# Altium PCB OctopusPB_r0101.PcbDoc (part 2 of 11)
Units mm, origin at the board's own origin, x right, y up, seen from the top; angles counter-clockwise.
Board outline 318 x 80 mm, 4 copper layers (Top Layer, Layer 1, Layer 2, Bottom Layer), stack 1.567 mm thick; 1067 components, 459 nets, 3580 pads, 4392 vias.
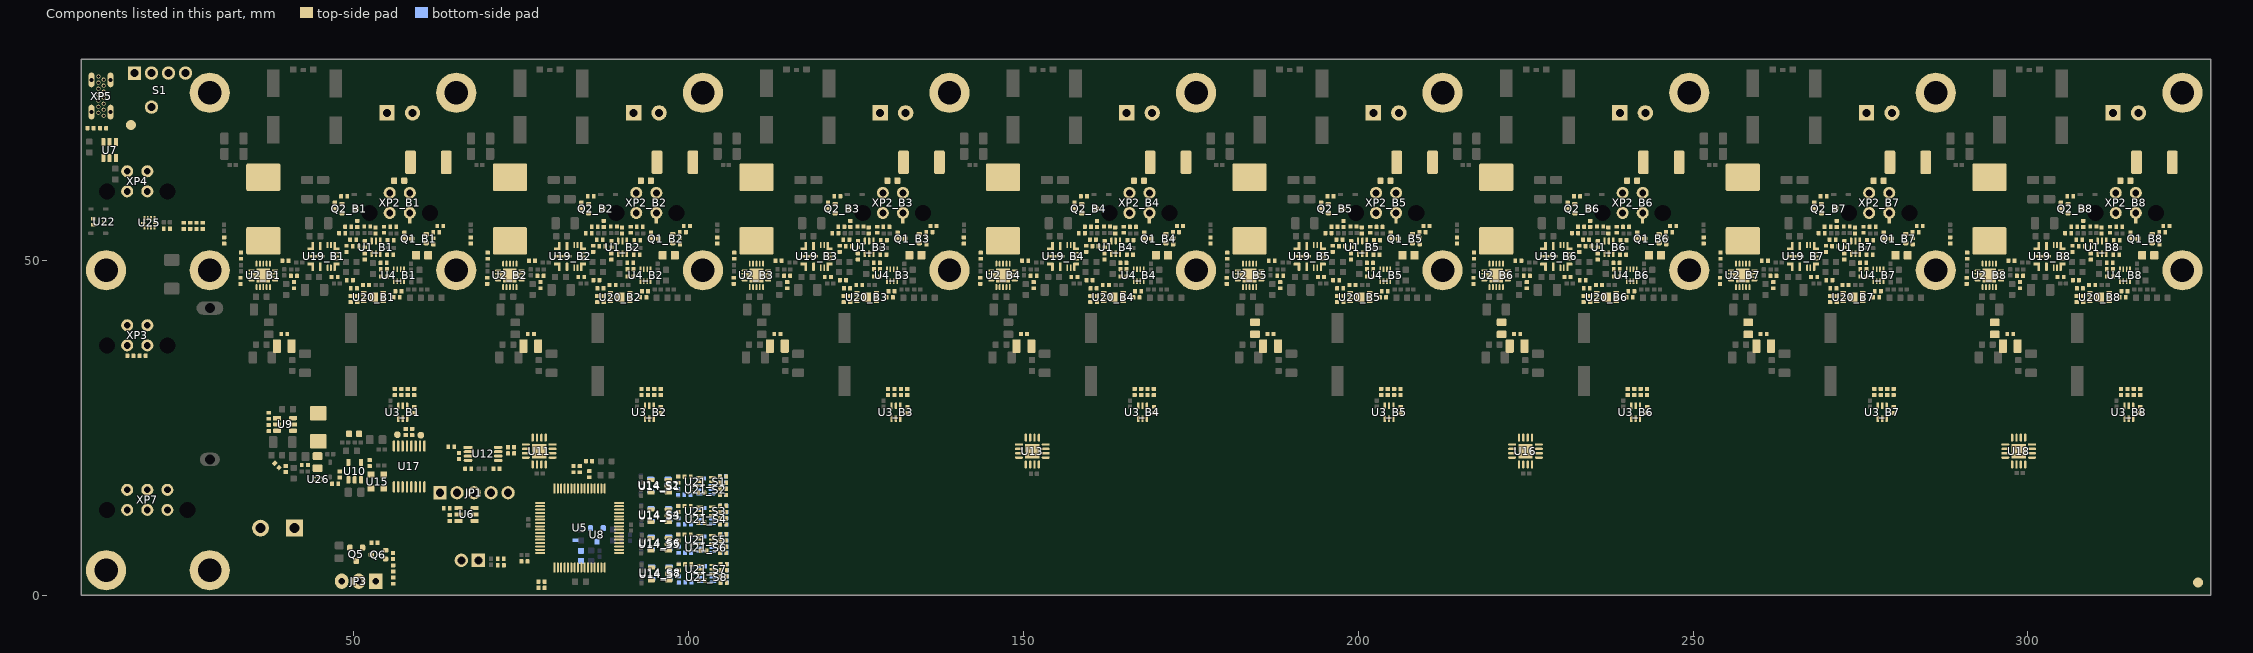
[diagram p4: the components of this part, seen from the top]

## Components (designator, comment, footprint, x,y, rotation, side; value= is the part's Value field where it differs from the comment) (continued)
FB1_B5 "BLM21SP601SH1D" FB0805M 184.58,39.825 r90 top (schematic designator FB1)
FB1_B6 "BLM21SP601SH1D" FB0805M 221.405,39.825 r90 top (schematic designator FB1)
FB1_B7 "BLM21SP601SH1D" FB0805M 258.23,39.825 r90 top (schematic designator FB1)
FB1_B8 "BLM21SP601SH1D" FB0805M 295.055,39.825 r90 top (schematic designator FB1)
FB2_B1 "BLM18KG260TN1D" FB0603M 56.775,61.875 r0 top (schematic designator FB2)
FB2_B2 "BLM18KG260TN1D" FB0603M 93.6,61.875 r0 top (schematic designator FB2)
FB2_B3 "BLM18KG260TN1D" FB0603M 130.425,61.875 r0 top (schematic designator FB2)
FB2_B4 "BLM18KG260TN1D" FB0603M 167.25,61.875 r0 top (schematic designator FB2)
FB2_B5 "BLM18KG260TN1D" FB0603M 204.075,61.875 r0 top (schematic designator FB2)
FB2_B6 "BLM18KG260TN1D" FB0603M 240.9,61.875 r0 top (schematic designator FB2)
FB2_B7 "BLM18KG260TN1D" FB0603M 277.725,61.875 r0 top (schematic designator FB2)
FB2_B8 "BLM18KG260TN1D" FB0603M 314.55,61.875 r0 top (schematic designator FB2)
FB3 "BLM18HG102SN1D" FB0603M 83.925,5.85 r270 bottom
FB4 "BLM21SP601SH1D" FB0805M 44.575,19.85 r270 top
FB5 "BLM18HG102SN1D" FB0603M 50.025,24.075 r0 top
FP1 "FP" FP 325.425,1.875 r0 top
FP2 "FP" FP 16.7,70.2 r0 top
JP1 "HEADER-2.54-THR-1x5-MV" HEADER-2.54-THR-1x5-MV 62.87,15.275 r90 top
JP2 "HEADER-2.54-THR-1x2-MV" HEADER-2.54-THR-1x2-MV 68.585,5.175 r270 top
JP3 "HEADER-2.54-THR-1x3-MV" HEADER-2.54-THR-1x3-MV 53.265,2.075 r270 top
L1_B1 "2.2uH" MGV252010S 39.6,37.175 r180 top (schematic designator L1)
L1_B2 "2.2uH" MGV252010S 76.425,37.175 r180 top (schematic designator L1)
L1_B3 "2.2uH" MGV252010S 113.25,37.175 r180 top (schematic designator L1)
L1_B4 "2.2uH" MGV252010S 150.075,37.175 r180 top (schematic designator L1)
L1_B5 "2.2uH" MGV252010S 186.9,37.175 r180 top (schematic designator L1)
L1_B6 "2.2uH" MGV252010S 223.725,37.175 r180 top (schematic designator L1)
L1_B7 "2.2uH" MGV252010S 260.55,37.175 r180 top (schematic designator L1)
L1_B8 "2.2uH" MGV252010S 297.375,37.175 r180 top (schematic designator L1)
L2_B1 "2.2uH" 104CDMCCDS 36.477,57.639 r90 top (schematic designator L2)
L2_B2 "2.2uH" 104CDMCCDS 73.302,57.639 r90 top (schematic designator L2)
L2_B3 "2.2uH" 104CDMCCDS 110.127,57.639 r90 top (schematic designator L2)
L2_B4 "2.2uH" 104CDMCCDS 146.952,57.639 r90 top (schematic designator L2)
L2_B5 "2.2uH" 104CDMCCDS 183.777,57.639 r90 top (schematic designator L2)
L2_B6 "2.2uH" 104CDMCCDS 220.602,57.639 r90 top (schematic designator L2)
L2_B7 "2.2uH" 104CDMCCDS 257.427,57.639 r90 top (schematic designator L2)
L2_B8 "2.2uH" 104CDMCCDS 294.252,57.639 r90 top (schematic designator L2)
L3_B1 "33uH" IC0805-M 60.2,50.75 r180 top (schematic designator L3)
L3_B2 "33uH" IC0805-M 97.025,50.75 r180 top (schematic designator L3)
L3_B3 "33uH" IC0805-M 133.85,50.75 r180 top (schematic designator L3)
L3_B4 "33uH" IC0805-M 170.675,50.75 r180 top (schematic designator L3)
L3_B5 "33uH" IC0805-M 207.5,50.75 r180 top (schematic designator L3)
L3_B6 "33uH" IC0805-M 244.325,50.75 r180 top (schematic designator L3)
L3_B7 "33uH" IC0805-M 281.15,50.75 r180 top (schematic designator L3)
L3_B8 "33uH" IC0805-M 317.975,50.75 r180 top (schematic designator L3)
L4 "10uH" 0518CDMCCDS 44.7,25.05 r270 top
MH1_B1 "MH-3.5-PLATED" MH_3.5_PLATED 65.3,75 r0 top locked (schematic designator MH1)
MH1_B2 "MH-3.5-PLATED" MH_3.5_PLATED 102.125,75 r0 top (schematic designator MH1)
MH1_B3 "MH-3.5-PLATED" MH_3.5_PLATED 138.95,75 r0 top (schematic designator MH1)
MH1_B4 "MH-3.5-PLATED" MH_3.5_PLATED 175.775,75 r0 top (schematic designator MH1)
MH1_B5 "MH-3.5-PLATED" MH_3.5_PLATED 212.6,75 r0 top (schematic designator MH1)
MH1_B6 "MH-3.5-PLATED" MH_3.5_PLATED 249.425,75 r0 top (schematic designator MH1)
MH1_B7 "MH-3.5-PLATED" MH_3.5_PLATED 286.25,75 r0 top (schematic designator MH1)
MH1_B8 "MH-3.5-PLATED" MH_3.5_PLATED 323.075,75 r0 top (schematic designator MH1)
MH2 "MH-3.5-PLATED" MH_3.5_PLATED 28.475,75 r0 top locked
MH3 "MH-3.5-PLATED" MH_3.5_PLATED 13,3.7 r0 top locked
MH4_B1 "MH-3.5-PLATED" MH_3.5_PLATED 65.3,48.5 r0 top locked (schematic designator MH4)
MH4_B2 "MH-3.5-PLATED" MH_3.5_PLATED 102.125,48.5 r0 top (schematic designator MH4)
MH4_B3 "MH-3.5-PLATED" MH_3.5_PLATED 138.95,48.5 r0 top (schematic designator MH4)
MH4_B4 "MH-3.5-PLATED" MH_3.5_PLATED 175.775,48.5 r0 top (schematic designator MH4)
MH4_B5 "MH-3.5-PLATED" MH_3.5_PLATED 212.6,48.5 r0 top (schematic designator MH4)
MH4_B6 "MH-3.5-PLATED" MH_3.5_PLATED 249.425,48.5 r0 top (schematic designator MH4)
MH4_B7 "MH-3.5-PLATED" MH_3.5_PLATED 286.25,48.5 r0 top (schematic designator MH4)
MH4_B8 "MH-3.5-PLATED" MH_3.5_PLATED 323.075,48.5 r0 top (schematic designator MH4)
MH5 "MH-3.5-PLATED" MH_3.5_PLATED 28.475,48.5 r0 top locked
MH6 "MH-3.5-PLATED" MH_3.5_PLATED 13,48.5 r0 top locked
MH7 "MH-3.5-PLATED" MH_3.5_PLATED 28.475,3.7 r0 top locked
Q1_B1 "NX3008PBKW,115" SOT323 59.725,53.225 r180 top (schematic designator Q1)
Q1_B2 "NX3008PBKW,115" SOT323 96.55,53.225 r180 top (schematic designator Q1)
Q1_B3 "NX3008PBKW,115" SOT323 133.375,53.225 r180 top (schematic designator Q1)
Q1_B4 "NX3008PBKW,115" SOT323 170.2,53.225 r180 top (schematic designator Q1)
Q1_B5 "NX3008PBKW,115" SOT323 207.025,53.225 r180 top (schematic designator Q1)
Q1_B6 "NX3008PBKW,115" SOT323 243.85,53.225 r180 top (schematic designator Q1)
Q1_B7 "NX3008PBKW,115" SOT323 280.675,53.225 r180 top (schematic designator Q1)
Q1_B8 "NX3008PBKW,115" SOT323 317.5,53.225 r180 top (schematic designator Q1)
Q2_B1 "NPN_transistor_SOT23-3" SOT323 49.3,57.7 r0 top (schematic designator Q2)
Q2_B2 "NPN_transistor_SOT23-3" SOT323 86.125,57.7 r0 top (schematic designator Q2)
Q2_B3 "NPN_transistor_SOT23-3" SOT323 122.95,57.7 r0 top (schematic designator Q2)
Q2_B4 "NPN_transistor_SOT23-3" SOT323 159.775,57.7 r0 top (schematic designator Q2)
Q2_B5 "NPN_transistor_SOT23-3" SOT323 196.6,57.7 r0 top (schematic designator Q2)
Q2_B6 "NPN_transistor_SOT23-3" SOT323 233.425,57.7 r0 top (schematic designator Q2)
Q2_B7 "NPN_transistor_SOT23-3" SOT323 270.25,57.7 r0 top (schematic designator Q2)
Q2_B8 "NPN_transistor_SOT23-3" SOT323 307.075,57.7 r0 top (schematic designator Q2)
Q5 "DMP3099L-7" SOT23-3 50.35,6.075 r90 top
Q6 "NX3020NAKW,115" SOT323 53.675,6.025 r180 top
R1_B1 "42.2k" RC0402M 54.5,54.55 r90 top (schematic designator R1)
R1_B2 "42.2k" RC0402M 91.325,54.55 r90 top (schematic designator R1)
R1_B3 "42.2k" RC0402M 128.15,54.55 r90 top (schematic designator R1)
R1_B4 "42.2k" RC0402M 164.975,54.55 r90 top (schematic designator R1)
R1_B5 "42.2k" RC0402M 201.8,54.55 r90 top (schematic designator R1)
R1_B6 "42.2k" RC0402M 238.625,54.55 r90 top (schematic designator R1)
R1_B7 "42.2k" RC0402M 275.45,54.55 r90 top (schematic designator R1)
R1_B8 "42.2k" RC0402M 312.275,54.55 r90 top (schematic designator R1)
R2_B1 "1k" RC0402M 55.875,54.975 r180 top (schematic designator R2)
R2_B2 "1k" RC0402M 92.7,54.975 r180 top (schematic designator R2)
R2_B3 "1k" RC0402M 129.525,54.975 r180 top (schematic designator R2)
R2_B4 "1k" RC0402M 166.35,54.975 r180 top (schematic designator R2)
R2_B5 "1k" RC0402M 203.175,54.975 r180 top (schematic designator R2)
R2_B6 "1k" RC0402M 240,54.975 r180 top (schematic designator R2)
R2_B7 "1k" RC0402M 276.825,54.975 r180 top (schematic designator R2)
R2_B8 "1k" RC0402M 313.65,54.975 r180 top (schematic designator R2)
R3_B1 "10k" RC0402M 55.425,50.825 r0 top (schematic designator R3)
R3_B2 "10k" RC0402M 92.25,50.825 r0 top (schematic designator R3)
R3_B3 "10k" RC0402M 129.075,50.825 r0 top (schematic designator R3)
R3_B4 "10k" RC0402M 165.9,50.825 r0 top (schematic designator R3)
R3_B5 "10k" RC0402M 202.725,50.825 r0 top (schematic designator R3)
R3_B6 "10k" RC0402M 239.55,50.825 r0 top (schematic designator R3)
R3_B7 "10k" RC0402M 276.375,50.825 r0 top (schematic designator R3)
R3_B8 "10k" RC0402M 313.2,50.825 r0 top (schematic designator R3)
R4_B1 "10k" RC0402M 61.875,52.825 r90 top (schematic designator R4)
R4_B2 "10k" RC0402M 98.7,52.825 r90 top (schematic designator R4)
R4_B3 "10k" RC0402M 135.525,52.825 r90 top (schematic designator R4)
R4_B4 "10k" RC0402M 172.35,52.825 r90 top (schematic designator R4)
R4_B5 "10k" RC0402M 209.175,52.825 r90 top (schematic designator R4)
R4_B6 "10k" RC0402M 246,52.825 r90 top (schematic designator R4)
R4_B7 "10k" RC0402M 282.825,52.825 r90 top (schematic designator R4)
R4_B8 "10k" RC0402M 319.65,52.825 r90 top (schematic designator R4)
R5_B1 "2.1k" RC0402M 39.6,38.975 r180 top (schematic designator R5)
R5_B2 "2.1k" RC0402M 76.425,38.975 r180 top (schematic designator R5)
R5_B3 "2.1k" RC0402M 113.25,38.975 r180 top (schematic designator R5)
R5_B4 "2.1k" RC0402M 150.075,38.975 r180 top (schematic designator R5)
R5_B5 "2.1k" RC0402M 186.9,38.975 r180 top (schematic designator R5)
R5_B6 "2.1k" RC0402M 223.725,38.975 r180 top (schematic designator R5)
R5_B7 "2.1k" RC0402M 260.55,38.975 r180 top (schematic designator R5)
R5_B8 "2.1k" RC0402M 297.375,38.975 r180 top (schematic designator R5)
R6_B1 "10k" RC0402M 30.625,52.95 r90 top (schematic designator R6)
R6_B2 "10k" RC0402M 67.45,52.95 r90 top (schematic designator R6)
R6_B3 "10k" RC0402M 104.275,52.95 r90 top (schematic designator R6)
R6_B4 "10k" RC0402M 141.1,52.95 r90 top (schematic designator R6)
R6_B5 "10k" RC0402M 177.925,52.95 r90 top (schematic designator R6)
R6_B6 "10k" RC0402M 214.75,52.95 r90 top (schematic designator R6)
R6_B7 "10k" RC0402M 251.575,52.95 r90 top (schematic designator R6)
R6_B8 "10k" RC0402M 288.4,52.95 r90 top (schematic designator R6)
R7_B1 "0R" RC0402M 33.15,50.675 r90 top (schematic designator R7)
R7_B2 "0R" RC0402M 69.975,50.675 r90 top (schematic designator R7)
R7_B3 "0R" RC0402M 106.8,50.675 r90 top (schematic designator R7)
R7_B4 "0R" RC0402M 143.625,50.675 r90 top (schematic designator R7)
R7_B5 "0R" RC0402M 180.45,50.675 r90 top (schematic designator R7)
R7_B6 "0R" RC0402M 217.275,50.675 r90 top (schematic designator R7)
R7_B7 "0R" RC0402M 254.1,50.675 r90 top (schematic designator R7)
R7_B8 "0R" RC0402M 290.925,50.675 r90 top (schematic designator R7)
R8_B1 "0R" RC0402M 50,45.8 r180 top (schematic designator R8)
R8_B2 "0R" RC0402M 86.825,45.8 r180 top (schematic designator R8)
R8_B3 "0R" RC0402M 123.65,45.8 r180 top (schematic designator R8)
R8_B4 "0R" RC0402M 160.475,45.8 r180 top (schematic designator R8)
R8_B5 "0R" RC0402M 197.3,45.8 r180 top (schematic designator R8)
R8_B6 "0R" RC0402M 234.125,45.8 r180 top (schematic designator R8)
R8_B7 "0R" RC0402M 270.95,45.8 r180 top (schematic designator R8)
R8_B8 "0R" RC0402M 307.775,45.8 r180 top (schematic designator R8)
R9_B1 "470R" RC2512M 61.125,64.625 r180 top (schematic designator R9)
R9_B2 "470R" RC2512M 97.95,64.625 r180 top (schematic designator R9)
R9_B3 "470R" RC2512M 134.775,64.625 r180 top (schematic designator R9)
R9_B4 "470R" RC2512M 171.6,64.625 r180 top (schematic designator R9)
R9_B5 "470R" RC2512M 208.425,64.625 r180 top (schematic designator R9)
R9_B6 "470R" RC2512M 245.25,64.625 r180 top (schematic designator R9)
R9_B7 "470R" RC2512M 282.075,64.625 r180 top (schematic designator R9)
R9_B8 "470R" RC2512M 318.9,64.625 r180 top (schematic designator R9)
R10_B1 "43R" RC0402M 57.1,30.325 r90 top (schematic designator R10)
R10_B2 "43R" RC0402M 93.925,30.325 r90 top (schematic designator R10)
R10_B3 "43R" RC0402M 130.75,30.325 r90 top (schematic designator R10)
R10_B4 "43R" RC0402M 167.575,30.325 r90 top (schematic designator R10)
R10_B5 "43R" RC0402M 204.4,30.325 r90 top (schematic designator R10)
R10_B6 "43R" RC0402M 241.225,30.325 r90 top (schematic designator R10)
R10_B7 "43R" RC0402M 278.05,30.325 r90 top (schematic designator R10)
R10_B8 "43R" RC0402M 314.875,30.325 r90 top (schematic designator R10)
R11_B1 "100k" RC0402M 33.075,46.925 r270 top (schematic designator R11)
R11_B2 "100k" RC0402M 69.9,46.925 r270 top (schematic designator R11)
R11_B3 "100k" RC0402M 106.725,46.925 r270 top (schematic designator R11)
R11_B4 "100k" RC0402M 143.55,46.925 r270 top (schematic designator R11)
R11_B5 "100k" RC0402M 180.375,46.925 r270 top (schematic designator R11)
R11_B6 "100k" RC0402M 217.2,46.925 r270 top (schematic designator R11)
R11_B7 "100k" RC0402M 254.025,46.925 r270 top (schematic designator R11)
R11_B8 "100k" RC0402M 290.85,46.925 r270 top (schematic designator R11)
R12_B1 "42.2k" RC0402M 53.225,54.45 r90 top (schematic designator R12)
R12_B2 "42.2k" RC0402M 90.05,54.45 r90 top (schematic designator R12)
R12_B3 "42.2k" RC0402M 126.875,54.45 r90 top (schematic designator R12)
R12_B4 "42.2k" RC0402M 163.7,54.45 r90 top (schematic designator R12)
R12_B5 "42.2k" RC0402M 200.525,54.45 r90 top (schematic designator R12)
R12_B6 "42.2k" RC0402M 237.35,54.45 r90 top (schematic designator R12)
R12_B7 "42.2k" RC0402M 274.175,54.45 r90 top (schematic designator R12)
R12_B8 "42.2k" RC0402M 311,54.45 r90 top (schematic designator R12)
R13_B1 "100k" RC0402M 48.25,54.05 r180 top (schematic designator R13)
R13_B2 "100k" RC0402M 85.075,54.05 r180 top (schematic designator R13)
R13_B3 "100k" RC0402M 121.9,54.05 r180 top (schematic designator R13)
R13_B4 "100k" RC0402M 158.725,54.05 r180 top (schematic designator R13)
R13_B5 "100k" RC0402M 195.55,54.05 r180 top (schematic designator R13)
R13_B6 "100k" RC0402M 232.375,54.05 r180 top (schematic designator R13)
R13_B7 "100k" RC0402M 269.2,54.05 r180 top (schematic designator R13)
R13_B8 "100k" RC0402M 306.025,54.05 r180 top (schematic designator R13)
R14_B1 "100R" RC0402M 48.55,59.55 r0 top (schematic designator R14)
R14_B2 "100R" RC0402M 85.375,59.55 r0 top (schematic designator R14)
R14_B3 "100R" RC0402M 122.2,59.55 r0 top (schematic designator R14)
R14_B4 "100R" RC0402M 159.025,59.55 r0 top (schematic designator R14)
R14_B5 "100R" RC0402M 195.85,59.55 r0 top (schematic designator R14)
R14_B6 "100R" RC0402M 232.675,59.55 r0 top (schematic designator R14)
R14_B7 "100R" RC0402M 269.5,59.55 r0 top (schematic designator R14)
R14_B8 "100R" RC0402M 306.325,59.55 r0 top (schematic designator R14)
R15_B1 "56k" RC0402M 41.052,47.664 r0 top (schematic designator R15)
R15_B2 "56k" RC0402M 77.877,47.664 r0 top (schematic designator R15)
R15_B3 "56k" RC0402M 114.702,47.664 r0 top (schematic designator R15)
R15_B4 "56k" RC0402M 151.527,47.664 r0 top (schematic designator R15)
R15_B5 "56k" RC0402M 188.352,47.664 r0 top (schematic designator R15)
R15_B6 "56k" RC0402M 225.177,47.664 r0 top (schematic designator R15)
R15_B7 "56k" RC0402M 262.002,47.664 r0 top (schematic designator R15)
R15_B8 "56k" RC0402M 298.827,47.664 r0 top (schematic designator R15)
R16_B1 "10k" RC0402M 47.15,58.15 r90 top (schematic designator R16)
R16_B2 "10k" RC0402M 83.975,58.15 r90 top (schematic designator R16)
R16_B3 "10k" RC0402M 120.8,58.15 r90 top (schematic designator R16)
R16_B4 "10k" RC0402M 157.625,58.15 r90 top (schematic designator R16)
R16_B5 "10k" RC0402M 194.45,58.15 r90 top (schematic designator R16)
R16_B6 "10k" RC0402M 231.275,58.15 r90 top (schematic designator R16)
R16_B7 "10k" RC0402M 268.1,58.15 r90 top (schematic designator R16)
R16_B8 "10k" RC0402M 304.925,58.15 r90 top (schematic designator R16)
R17 "10k" RC0402M 22.075,54.7 r180 top
R18_S1 "2.4k" RC0402M 98.45,17.235 r270 top (schematic designator R18)
R18_S2 "2.4k" RC0402M 98.403,15.423 r90 bottom (schematic designator R18)
R18_S3 "2.4k" RC0402M 98.45,12.84 r270 top (schematic designator R18)
R18_S4 "2.4k" RC0402M 98.475,11.01 r90 bottom (schematic designator R18)
R18_S5 "2.4k" RC0402M 98.445,8.585 r270 top (schematic designator R18)
R18_S6 "2.4k" RC0402M 98.505,6.775 r90 bottom (schematic designator R18)
R18_S7 "2.4k" RC0402M 98.52,4.135 r270 top (schematic designator R18)
R18_S8 "2.4k" RC0402M 98.55,2.335 r90 bottom (schematic designator R18)
R19_B1 "360R" RC0402M 62.3,54.2 r180 top (schematic designator R19)
R19_B2 "360R" RC0402M 99.125,54.2 r180 top (schematic designator R19)
R19_B3 "360R" RC0402M 135.95,54.2 r180 top (schematic designator R19)
R19_B4 "360R" RC0402M 172.775,54.2 r180 top (schematic designator R19)
R19_B5 "360R" RC0402M 209.6,54.2 r180 top (schematic designator R19)
R19_B6 "360R" RC0402M 246.425,54.2 r180 top (schematic designator R19)
R19_B7 "360R" RC0402M 283.25,54.2 r180 top (schematic designator R19)
R19_B8 "360R" RC0402M 320.075,54.2 r180 top (schematic designator R19)
R20_B1 "7.15k" RC0402M 51.625,50.55 r270 top (schematic designator R20)
R20_B2 "7.15k" RC0402M 88.45,50.55 r270 top (schematic designator R20)
R20_B3 "7.15k" RC0402M 125.275,50.55 r270 top (schematic designator R20)
R20_B4 "7.15k" RC0402M 162.1,50.55 r270 top (schematic designator R20)
R20_B5 "7.15k" RC0402M 198.925,50.55 r270 top (schematic designator R20)
R20_B6 "7.15k" RC0402M 235.75,50.55 r270 top (schematic designator R20)
R20_B7 "7.15k" RC0402M 272.575,50.55 r270 top (schematic designator R20)
R20_B8 "7.15k" RC0402M 309.4,50.55 r270 top (schematic designator R20)
R21_B1 "1.2k" RC0402M 54.45,49.6 r0 top (schematic designator R21)
R21_B2 "1.2k" RC0402M 91.275,49.6 r0 top (schematic designator R21)
R21_B3 "1.2k" RC0402M 128.1,49.6 r0 top (schematic designator R21)
R21_B4 "1.2k" RC0402M 164.925,49.6 r0 top (schematic designator R21)
R21_B5 "1.2k" RC0402M 201.75,49.6 r0 top (schematic designator R21)
R21_B6 "1.2k" RC0402M 238.575,49.6 r0 top (schematic designator R21)
R21_B7 "1.2k" RC0402M 275.4,49.6 r0 top (schematic designator R21)
R21_B8 "1.2k" RC0402M 312.225,49.6 r0 top (schematic designator R21)
R22_B1 "6.04k" RC0402M 51.65,52.4 r90 top (schematic designator R22)
R22_B2 "6.04k" RC0402M 88.475,52.4 r90 top (schematic designator R22)
R22_B3 "6.04k" RC0402M 125.3,52.4 r90 top (schematic designator R22)
R22_B4 "6.04k" RC0402M 162.125,52.4 r90 top (schematic designator R22)
R22_B5 "6.04k" RC0402M 198.95,52.4 r90 top (schematic designator R22)
R22_B6 "6.04k" RC0402M 235.775,52.4 r90 top (schematic designator R22)
R22_B7 "6.04k" RC0402M 272.6,52.4 r90 top (schematic designator R22)
R22_B8 "6.04k" RC0402M 309.425,52.4 r90 top (schematic designator R22)
R23_B1 "0R" RC0402M 56.4,44.45 r180 top (schematic designator R23)
R23_B2 "0R" RC0402M 93.225,44.45 r180 top (schematic designator R23)
R23_B3 "0R" RC0402M 130.05,44.45 r180 top (schematic designator R23)
R23_B4 "0R" RC0402M 166.875,44.45 r180 top (schematic designator R23)
R23_B5 "0R" RC0402M 203.7,44.45 r180 top (schematic designator R23)
R23_B6 "0R" RC0402M 240.525,44.45 r180 top (schematic designator R23)
R23_B7 "0R" RC0402M 277.35,44.45 r180 top (schematic designator R23)
R23_B8 "0R" RC0402M 314.175,44.45 r180 top (schematic designator R23)
R24_B1 "0R" RC0402M 56.652,45.376 r0 top (schematic designator R24)
R24_B2 "0R" RC0402M 93.477,45.376 r0 top (schematic designator R24)
R24_B3 "0R" RC0402M 130.302,45.376 r0 top (schematic designator R24)
R24_B4 "0R" RC0402M 167.127,45.376 r0 top (schematic designator R24)
R24_B5 "0R" RC0402M 203.952,45.376 r0 top (schematic designator R24)
R24_B6 "0R" RC0402M 240.777,45.376 r0 top (schematic designator R24)
R24_B7 "0R" RC0402M 277.602,45.376 r0 top (schematic designator R24)
R24_B8 "0R" RC0402M 314.427,45.376 r0 top (schematic designator R24)
R25_B1 "0R" RC0402M 54.475,48.675 r0 top (schematic designator R25)
R25_B2 "0R" RC0402M 91.3,48.675 r0 top (schematic designator R25)
R25_B3 "0R" RC0402M 128.125,48.675 r0 top (schematic designator R25)
R25_B4 "0R" RC0402M 164.95,48.675 r0 top (schematic designator R25)
R25_B5 "0R" RC0402M 201.775,48.675 r0 top (schematic designator R25)
R25_B6 "0R" RC0402M 238.6,48.675 r0 top (schematic designator R25)
R25_B7 "0R" RC0402M 275.425,48.675 r0 top (schematic designator R25)
R25_B8 "0R" RC0402M 312.25,48.675 r0 top (schematic designator R25)
R26_B1 "0R" RC0402M 54.475,47.575 r180 top (schematic designator R26)
R26_B2 "0R" RC0402M 91.3,47.575 r180 top (schematic designator R26)
R26_B3 "0R" RC0402M 128.125,47.575 r180 top (schematic designator R26)
R26_B4 "0R" RC0402M 164.95,47.575 r180 top (schematic designator R26)
R26_B5 "0R" RC0402M 201.775,47.575 r180 top (schematic designator R26)
R26_B6 "0R" RC0402M 238.6,47.575 r180 top (schematic designator R26)
R26_B7 "0R" RC0402M 275.425,47.575 r180 top (schematic designator R26)
R26_B8 "0R" RC0402M 312.25,47.575 r180 top (schematic designator R26)
R27 "4.7k" RC0402M 18.45,35.725 r180 top
R28 "4.7k" RC0402M 16.625,35.725 r0 top
R29 "10k" RC0402M 85.175,18.05 r270 top
R30 "1k" RC0402M 47.2,16.6 r180 top
R31 "10k" RC0402M 64.325,11.5 r90 top
R32 "10k" RC0402M 63.875,12.95 r180 top
R33 "1k" RC0402M 47.9,18 r90 top
R34 "240R" RC0402M 85.125,20 r0 top
R36 "100k" RC0402M 75.475,5.025 r180 top
R37 "5.1k" RC0402M 12.55,69.725 r0 top
R38 "33R" RC0402M 78.025,2 r180 top
R39 "5.1k" RC0402M 10.675,69.725 r180 top
R40 "10k" RC0402M 11.1,55.75 r90 top
R41 "33R" RC0402M 78.025,1.075 r180 top
R42 "10k" RC0402M 71.94,5.425 r0 top
R43 "100R" RC0402M 71.945,4.45 r0 top
R44 "91k" RC0402M 37.3,26.775 r90 top
R45 "22.1k" RC0402M 37.3,24.93 r270 top
R46 "4.7k" RC0402M 71.3,18.85 r0 top
R47 "4.7k" RC0402M 67.075,18.85 r0 top
R48 "4.7k" RC0402M 73.475,22.075 r0 top
R49 "4.7k" RC0402M 73.475,21.15 r0 top
R50 "4.7k" RC0402M 64.55,22.15 r180 top
R51 "4.7k" RC0402M 65.7,20.775 r270 top
R52 "43R" RC0402M 57.75,24.35 r90 top
R53_S1 "10k" RC0402M 99.85,17.685 r0 top (schematic designator R53)
R53_S2 "10k" RC0402M 99.803,14.973 r0 bottom (schematic designator R53)
R53_S3 "10k" RC0402M 99.85,13.29 r0 top (schematic designator R53)
R53_S4 "10k" RC0402M 99.875,10.56 r0 bottom (schematic designator R53)
R53_S5 "10k" RC0402M 99.845,9.035 r0 top (schematic designator R53)
R53_S6 "10k" RC0402M 99.905,6.3 r0 bottom (schematic designator R53)
R53_S7 "10k" RC0402M 99.92,4.585 r0 top (schematic designator R53)
R53_S8 "10k" RC0402M 99.95,1.885 r0 bottom (schematic designator R53)
R54 "10k" RC0402M 52.35,19.7 r270 top
R55 "43R" RC0402M 58.7,24.35 r90 top
R56_B1 "0R" RC0402M 59.025,27.655 r90 top (schematic designator R56)
R56_B2 "0R" RC0402M 95.85,27.655 r90 top (schematic designator R56)
R56_B3 "0R" RC0402M 132.675,27.655 r90 top (schematic designator R56)
R56_B4 "0R" RC0402M 169.5,27.655 r90 top (schematic designator R56)
R56_B5 "0R" RC0402M 206.325,27.655 r90 top (schematic designator R56)
R56_B6 "0R" RC0402M 243.15,27.655 r90 top (schematic designator R56)
R56_B7 "0R" RC0402M 279.975,27.655 r90 top (schematic designator R56)
R56_B8 "0R" RC0402M 316.8,27.655 r90 top (schematic designator R56)
R57_S1 "10k" RC0402M 105.15,15.86 r180 top (schematic designator R57)
R57_S2 "10k" RC0402M 105.103,16.798 r180 bottom (schematic designator R57)
R57_S3 "10k" RC0402M 105.15,11.465 r180 top (schematic designator R57)
R57_S4 "10k" RC0402M 105.175,12.385 r180 bottom (schematic designator R57)
R57_S5 "10k" RC0402M 105.145,7.21 r180 top (schematic designator R57)
R57_S6 "10k" RC0402M 105.205,8.15 r180 bottom (schematic designator R57)
R57_S7 "10k" RC0402M 105.22,2.76 r180 top (schematic designator R57)
R57_S8 "10k" RC0402M 105.25,3.71 r180 bottom (schematic designator R57)
R58_B1 "0R" RC0402M 51.825,46.3 r0 top (schematic designator R58)
R58_B2 "0R" RC0402M 88.65,46.3 r0 top (schematic designator R58)
R58_B3 "0R" RC0402M 125.475,46.3 r0 top (schematic designator R58)
R58_B4 "0R" RC0402M 162.3,46.3 r0 top (schematic designator R58)
R58_B5 "0R" RC0402M 199.125,46.3 r0 top (schematic designator R58)
R58_B6 "0R" RC0402M 235.95,46.3 r0 top (schematic designator R58)
R58_B7 "0R" RC0402M 272.775,46.3 r0 top (schematic designator R58)
R58_B8 "0R" RC0402M 309.6,46.3 r0 top (schematic designator R58)
R59_B1 "0R" RC0402M 49.525,44.2 r270 top (schematic designator R59)
R59_B2 "0R" RC0402M 86.35,44.2 r270 top (schematic designator R59)
R59_B3 "0R" RC0402M 123.175,44.2 r270 top (schematic designator R59)
R59_B4 "0R" RC0402M 160,44.2 r270 top (schematic designator R59)
R59_B5 "0R" RC0402M 196.825,44.2 r270 top (schematic designator R59)
R59_B6 "0R" RC0402M 233.65,44.2 r270 top (schematic designator R59)
R59_B7 "0R" RC0402M 270.475,44.2 r270 top (schematic designator R59)
R59_B8 "0R" RC0402M 307.3,44.2 r270 top (schematic designator R59)
R60_S1 "10k" RC0402M 105.15,16.785 r180 top (schematic designator R60)
R60_S2 "10k" RC0402M 105.103,15.873 r180 bottom (schematic designator R60)
R60_S3 "10k" RC0402M 105.15,12.39 r180 top (schematic designator R60)
R60_S4 "10k" RC0402M 105.175,11.46 r180 bottom (schematic designator R60)
R60_S5 "10k" RC0402M 105.145,8.135 r180 top (schematic designator R60)
R60_S6 "10k" RC0402M 105.205,7.225 r180 bottom (schematic designator R60)
R60_S7 "10k" RC0402M 105.22,3.685 r180 top (schematic designator R60)
R60_S8 "10k" RC0402M 105.25,2.785 r180 bottom (schematic designator R60)
R61_S1 "10k" RC0402M 101.9,15.26 r0 top (schematic designator R61)
R61_S2 "10k" RC0402M 101.853,17.398 r0 bottom (schematic designator R61)
R61_S3 "10k" RC0402M 101.925,10.8 r0 top (schematic designator R61)
R61_S4 "10k" RC0402M 101.925,13 r0 bottom (schematic designator R61)
R61_S5 "10k" RC0402M 102.22,6.595 r0 top (schematic designator R61)
R61_S6 "10k" RC0402M 101.955,8.75 r0 bottom (schematic designator R61)
R61_S7 "10k" RC0402M 101.97,2.16 r0 top (schematic designator R61)
R61_S8 "10k" RC0402M 102,4.31 r0 bottom (schematic designator R61)
R62_B1 "10k" RC0402M 57.55,53.7 r90 top (schematic designator R62)
R62_B2 "10k" RC0402M 94.375,53.7 r90 top (schematic designator R62)
R62_B3 "10k" RC0402M 131.2,53.7 r90 top (schematic designator R62)
R62_B4 "10k" RC0402M 168.025,53.7 r90 top (schematic designator R62)
R62_B5 "10k" RC0402M 204.85,53.7 r90 top (schematic designator R62)
R62_B6 "10k" RC0402M 241.675,53.7 r90 top (schematic designator R62)
R62_B7 "10k" RC0402M 278.5,53.7 r90 top (schematic designator R62)
R62_B8 "10k" RC0402M 315.325,53.7 r90 top (schematic designator R62)
R63_B1 "1k" RC0402M 52,55.025 r0 top (schematic designator R63)
R63_B2 "1k" RC0402M 88.825,55.025 r0 top (schematic designator R63)
R63_B3 "1k" RC0402M 125.65,55.025 r0 top (schematic designator R63)
R63_B4 "1k" RC0402M 162.475,55.025 r0 top (schematic designator R63)
R63_B5 "1k" RC0402M 199.3,55.025 r0 top (schematic designator R63)
R63_B6 "1k" RC0402M 236.125,55.025 r0 top (schematic designator R63)
R63_B7 "1k" RC0402M 272.95,55.025 r0 top (schematic designator R63)
R63_B8 "1k" RC0402M 309.775,55.025 r0 top (schematic designator R63)
R64 "10k" RC0402M 42.675,19.425 r0 top
R65_B1 "100R" RC0402M 47.13,47.5 r0 top (schematic designator R65)
R65_B2 "100R" RC0402M 83.955,47.5 r0 top (schematic designator R65)
R65_B3 "100R" RC0402M 120.78,47.5 r0 top (schematic designator R65)
R65_B4 "100R" RC0402M 157.605,47.5 r0 top (schematic designator R65)
R65_B5 "100R" RC0402M 194.43,47.5 r0 top (schematic designator R65)
R65_B6 "100R" RC0402M 231.255,47.5 r0 top (schematic designator R65)
R65_B7 "100R" RC0402M 268.08,47.5 r0 top (schematic designator R65)
R65_B8 "100R" RC0402M 304.905,47.5 r0 top (schematic designator R65)
R66_B1 "33k" RC0402M 49.9,53.075 r180 top (schematic designator R66)
R66_B2 "33k" RC0402M 86.725,53.075 r180 top (schematic designator R66)
R66_B3 "33k" RC0402M 123.55,53.075 r180 top (schematic designator R66)
R66_B4 "33k" RC0402M 160.375,53.075 r180 top (schematic designator R66)
R66_B5 "33k" RC0402M 197.2,53.075 r180 top (schematic designator R66)
R66_B6 "33k" RC0402M 234.025,53.075 r180 top (schematic designator R66)
R66_B7 "33k" RC0402M 270.85,53.075 r180 top (schematic designator R66)
R66_B8 "33k" RC0402M 307.675,53.075 r180 top (schematic designator R66)
R67_B1 "6.04k" RC0402M 55.5,53 r180 top (schematic designator R67)
R67_B2 "6.04k" RC0402M 92.325,53 r180 top (schematic designator R67)
R67_B3 "6.04k" RC0402M 129.15,53 r180 top (schematic designator R67)
R67_B4 "6.04k" RC0402M 165.975,53 r180 top (schematic designator R67)
R67_B5 "6.04k" RC0402M 202.8,53 r180 top (schematic designator R67)
R67_B6 "6.04k" RC0402M 239.625,53 r180 top (schematic designator R67)
R67_B7 "6.04k" RC0402M 276.45,53 r180 top (schematic designator R67)
R67_B8 "6.04k" RC0402M 313.275,53 r180 top (schematic designator R67)
R68 "0R" RC0402M 82.8,18.8 r270 top
R69 "0R" RC0402M 83.75,18.795 r270 top
R70 "10k" RC0402M 55.875,2.15 r270 top
R71 "10k" RC0402M 53.075,7.8 r0 top
R72 "10R" RC0402M 55.875,3.97 r270 top
R73 "10k" RC0402M 55.85,5.82 r90 top
R74_B1 "0R" RC0402M 50.5,44.2 r270 top (schematic designator R74)
R74_B2 "0R" RC0402M 87.325,44.2 r270 top (schematic designator R74)
R74_B3 "0R" RC0402M 124.15,44.2 r270 top (schematic designator R74)
R74_B4 "0R" RC0402M 160.975,44.2 r270 top (schematic designator R74)
R74_B5 "0R" RC0402M 197.8,44.2 r270 top (schematic designator R74)
R74_B6 "0R" RC0402M 234.625,44.2 r270 top (schematic designator R74)
R74_B7 "0R" RC0402M 271.45,44.2 r270 top (schematic designator R74)
R74_B8 "0R" RC0402M 308.275,44.2 r270 top (schematic designator R74)
R75_S1 "2.4k" RC0402M 105.15,14.935 r180 top (schematic designator R75)
R75_S2 "2.4k" RC0402M 105.103,17.723 r180 bottom (schematic designator R75)
R75_S3 "2.4k" RC0402M 105.15,10.54 r180 top (schematic designator R75)
R75_S4 "2.4k" RC0402M 105.175,13.31 r180 bottom (schematic designator R75)
R75_S5 "2.4k" RC0402M 105.145,6.285 r180 top (schematic designator R75)
R75_S6 "2.4k" RC0402M 105.205,9.075 r180 bottom (schematic designator R75)
R75_S7 "2.4k" RC0402M 105.22,1.835 r180 top (schematic designator R75)
R75_S8 "2.4k" RC0402M 105.25,4.635 r180 bottom (schematic designator R75)
R76_S1 "2.4k" RC0402M 105.15,17.71 r180 top (schematic designator R76)
R76_S2 "2.4k" RC0402M 105.103,14.948 r180 bottom (schematic designator R76)
R76_S3 "2.4k" RC0402M 105.15,13.315 r180 top (schematic designator R76)
R76_S4 "2.4k" RC0402M 105.175,10.535 r180 bottom (schematic designator R76)
R76_S5 "2.4k" RC0402M 105.145,9.06 r180 top (schematic designator R76)
R76_S6 "2.4k" RC0402M 105.205,6.3 r180 bottom (schematic designator R76)
R76_S7 "2.4k" RC0402M 105.22,4.61 r180 top (schematic designator R76)
R76_S8 "2.4k" RC0402M 105.25,1.86 r180 bottom (schematic designator R76)
R82 "10k" RC0402M 38.5,19.35 r315 top
R83_B1 "10R" RC0402M 49.4,47.025 r0 top (schematic designator R83)
R83_B2 "10R" RC0402M 86.225,47.025 r0 top (schematic designator R83)
R83_B3 "10R" RC0402M 123.05,47.025 r0 top (schematic designator R83)
R83_B4 "10R" RC0402M 159.875,47.025 r0 top (schematic designator R83)
R83_B5 "10R" RC0402M 196.7,47.025 r0 top (schematic designator R83)
R83_B6 "10R" RC0402M 233.525,47.025 r0 top (schematic designator R83)
R83_B7 "10R" RC0402M 270.35,47.025 r0 top (schematic designator R83)
R83_B8 "10R" RC0402M 307.175,47.025 r0 top (schematic designator R83)
R86 "1k" RC0402M 39.825,18.825 r270 top
R87_B1 "0R" RC0402M 49.15,55 r0 top (schematic designator R87)
R87_B2 "0R" RC0402M 85.975,55 r0 top (schematic designator R87)
R87_B3 "0R" RC0402M 122.8,55 r0 top (schematic designator R87)
R87_B4 "0R" RC0402M 159.625,55 r0 top (schematic designator R87)
R87_B5 "0R" RC0402M 196.45,55 r0 top (schematic designator R87)
R87_B6 "0R" RC0402M 233.275,55 r0 top (schematic designator R87)
R87_B7 "0R" RC0402M 270.1,55 r0 top (schematic designator R87)
R87_B8 "0R" RC0402M 306.925,55 r0 top (schematic designator R87)
R90_B1 "0R" RC0402M 50.5,55.425 r270 top (schematic designator R90)
R90_B2 "0R" RC0402M 87.325,55.425 r270 top (schematic designator R90)
R90_B3 "0R" RC0402M 124.15,55.425 r270 top (schematic designator R90)
R90_B4 "0R" RC0402M 160.975,55.425 r270 top (schematic designator R90)
R90_B5 "0R" RC0402M 197.8,55.425 r270 top (schematic designator R90)
R90_B6 "0R" RC0402M 234.625,55.425 r270 top (schematic designator R90)
R90_B7 "0R" RC0402M 271.45,55.425 r270 top (schematic designator R90)
R90_B8 "0R" RC0402M 308.275,55.425 r270 top (schematic designator R90)
R91_B1 "0R" RC0402M 39.775,49.925 r180 top (schematic designator R91)
R91_B2 "0R" RC0402M 76.6,49.925 r180 top (schematic designator R91)
R91_B3 "0R" RC0402M 113.425,49.925 r180 top (schematic designator R91)
R91_B4 "0R" RC0402M 150.25,49.925 r180 top (schematic designator R91)
R91_B5 "0R" RC0402M 187.075,49.925 r180 top (schematic designator R91)
R91_B6 "0R" RC0402M 223.9,49.925 r180 top (schematic designator R91)
R91_B7 "0R" RC0402M 260.725,49.925 r180 top (schematic designator R91)
R91_B8 "0R" RC0402M 297.55,49.925 r180 top (schematic designator R91)
R94_B1 "0R" RC0402M 48.9,51.705 r270 top (schematic designator R94)
R94_B2 "0R" RC0402M 85.725,51.705 r270 top (schematic designator R94)
R94_B3 "0R" RC0402M 122.55,51.705 r270 top (schematic designator R94)
R94_B4 "0R" RC0402M 159.375,51.705 r270 top (schematic designator R94)
R94_B5 "0R" RC0402M 196.2,51.705 r270 top (schematic designator R94)
R94_B6 "0R" RC0402M 233.025,51.705 r270 top (schematic designator R94)
R94_B7 "0R" RC0402M 269.85,51.705 r270 top (schematic designator R94)
R94_B8 "0R" RC0402M 306.675,51.705 r270 top (schematic designator R94)
R95_B1 "0R" RC0402M 41.05,46.275 r270 top (schematic designator R95)
R95_B2 "0R" RC0402M 77.875,46.275 r270 top (schematic designator R95)
R95_B3 "0R" RC0402M 114.7,46.275 r270 top (schematic designator R95)
R95_B4 "0R" RC0402M 151.525,46.275 r270 top (schematic designator R95)
R95_B5 "0R" RC0402M 188.35,46.275 r270 top (schematic designator R95)
R95_B6 "0R" RC0402M 225.175,46.275 r270 top (schematic designator R95)
R95_B7 "0R" RC0402M 262,46.275 r270 top (schematic designator R95)
R95_B8 "0R" RC0402M 298.825,46.275 r270 top (schematic designator R95)
R98_B1 "0R" RC0402M 50.275,52.1 r180 top (schematic designator R98)
R98_B2 "0R" RC0402M 87.1,52.1 r180 top (schematic designator R98)
R98_B3 "0R" RC0402M 123.925,52.1 r180 top (schematic designator R98)
R98_B4 "0R" RC0402M 160.75,52.1 r180 top (schematic designator R98)
R98_B5 "0R" RC0402M 197.575,52.1 r180 top (schematic designator R98)
R98_B6 "0R" RC0402M 234.4,52.1 r180 top (schematic designator R98)
R98_B7 "0R" RC0402M 271.225,52.1 r180 top (schematic designator R98)
R98_B8 "0R" RC0402M 308.05,52.1 r180 top (schematic designator R98)
R99_B1 "0R" RC0402M 56.125,30.325 r90 top (schematic designator R99)
R99_B2 "0R" RC0402M 92.95,30.325 r90 top (schematic designator R99)
R99_B3 "0R" RC0402M 129.775,30.325 r90 top (schematic designator R99)
R99_B4 "0R" RC0402M 166.6,30.325 r90 top (schematic designator R99)
R99_B5 "0R" RC0402M 203.425,30.325 r90 top (schematic designator R99)
R99_B6 "0R" RC0402M 240.25,30.325 r90 top (schematic designator R99)
R99_B7 "0R" RC0402M 277.075,30.325 r90 top (schematic designator R99)
R99_B8 "0R" RC0402M 313.9,30.325 r90 top (schematic designator R99)
R102_B1 "43R" RC0402M 58.05,30.325 r90 top (schematic designator R102)
R102_B2 "43R" RC0402M 94.875,30.325 r90 top (schematic designator R102)
R102_B3 "43R" RC0402M 131.7,30.325 r90 top (schematic designator R102)
R102_B4 "43R" RC0402M 168.525,30.325 r90 top (schematic designator R102)
R102_B5 "43R" RC0402M 205.35,30.325 r90 top (schematic designator R102)
R102_B6 "43R" RC0402M 242.175,30.325 r90 top (schematic designator R102)
R102_B7 "43R" RC0402M 279,30.325 r90 top (schematic designator R102)
R102_B8 "43R" RC0402M 315.825,30.325 r90 top (schematic designator R102)
R103_B1 "0R" RC0402M 59,30.325 r90 top (schematic designator R103)
R103_B2 "0R" RC0402M 95.825,30.325 r90 top (schematic designator R103)
R103_B3 "0R" RC0402M 132.65,30.325 r90 top (schematic designator R103)
R103_B4 "0R" RC0402M 169.475,30.325 r90 top (schematic designator R103)
R103_B5 "0R" RC0402M 206.3,30.325 r90 top (schematic designator R103)
R103_B6 "0R" RC0402M 243.125,30.325 r90 top (schematic designator R103)
R103_B7 "0R" RC0402M 279.95,30.325 r90 top (schematic designator R103)
R103_B8 "0R" RC0402M 316.775,30.325 r90 top (schematic designator R103)
R106 "10k" RC0402M 24.6,55.13 r270 top
R107 "10k" RC0402M 25.55,55.13 r270 top
R108 "10k" RC0402M 26.5,55.13 r270 top
R109 "10k" RC0402M 27.425,55.13 r270 top
R110_B1 "0R" RC0402M 62.9,55.1 r180 top (schematic designator R110)
R110_B2 "0R" RC0402M 99.725,55.1 r180 top (schematic designator R110)
R110_B3 "0R" RC0402M 136.55,55.1 r180 top (schematic designator R110)
R110_B4 "0R" RC0402M 173.375,55.1 r180 top (schematic designator R110)
R110_B5 "0R" RC0402M 210.2,55.1 r180 top (schematic designator R110)
R110_B6 "0R" RC0402M 247.025,55.1 r180 top (schematic designator R110)
R110_B7 "0R" RC0402M 283.85,55.1 r180 top (schematic designator R110)
R110_B8 "0R" RC0402M 320.675,55.1 r180 top (schematic designator R110)
S1 "S-1011A" S-1011A 17.235,77.95 r90 top locked
TP2 "TEST_POINT" TEST_POINT_SMALL 56.5,23.95 r90 top
TP3 "TEST_POINT" TEST_POINT_SMALL 60,23.875 r90 top
U1_B1 "SN74LVC1G3157DCKR" SOT363 53.3,51.913 r90 top (schematic designator U1)
U1_B2 "SN74LVC1G3157DCKR" SOT363 90.125,51.913 r90 top (schematic designator U1)
U1_B3 "SN74LVC1G3157DCKR" SOT363 126.95,51.913 r90 top (schematic designator U1)
U1_B4 "SN74LVC1G3157DCKR" SOT363 163.775,51.913 r90 top (schematic designator U1)
U1_B5 "SN74LVC1G3157DCKR" SOT363 200.6,51.913 r90 top (schematic designator U1)
U1_B6 "SN74LVC1G3157DCKR" SOT363 237.425,51.913 r90 top (schematic designator U1)
U1_B7 "SN74LVC1G3157DCKR" SOT363 274.25,51.913 r90 top (schematic designator U1)
U1_B8 "SN74LVC1G3157DCKR" SOT363 311.075,51.913 r90 top (schematic designator U1)
U2_B1 "TPS54821RHL" VQFN-14 36.474,47.727 r0 top (schematic designator U2)
U2_B2 "TPS54821RHL" VQFN-14 73.299,47.727 r0 top (schematic designator U2)
U2_B3 "TPS54821RHL" VQFN-14 110.124,47.727 r0 top (schematic designator U2)
U2_B4 "TPS54821RHL" VQFN-14 146.949,47.727 r0 top (schematic designator U2)
U2_B5 "TPS54821RHL" VQFN-14 183.774,47.727 r0 top (schematic designator U2)
U2_B6 "TPS54821RHL" VQFN-14 220.599,47.727 r0 top (schematic designator U2)
U2_B7 "TPS54821RHL" VQFN-14 257.424,47.727 r0 top (schematic designator U2)
U2_B8 "TPS54821RHL" VQFN-14 294.249,47.727 r0 top (schematic designator U2)
U3_B1 "74LVC1G157GW" SOT363 57.302,27.307 r270 top (schematic designator U3)
U3_B2 "74LVC1G157GW" SOT363 94.127,27.307 r270 top (schematic designator U3)
U3_B3 "74LVC1G157GW" SOT363 130.952,27.307 r270 top (schematic designator U3)
U3_B4 "74LVC1G157GW" SOT363 167.777,27.307 r270 top (schematic designator U3)
U3_B5 "74LVC1G157GW" SOT363 204.602,27.307 r270 top (schematic designator U3)
U3_B6 "74LVC1G157GW" SOT363 241.427,27.307 r270 top (schematic designator U3)
U3_B7 "74LVC1G157GW" SOT363 278.252,27.307 r270 top (schematic designator U3)
U3_B8 "74LVC1G157GW" SOT363 315.077,27.307 r270 top (schematic designator U3)
U4_B1 "DAC60501ZDQFT" WSON-8 56.729,47.755 r270 top (schematic designator U4)
U4_B2 "DAC60501ZDQFT" WSON-8 93.554,47.755 r270 top (schematic designator U4)
U4_B3 "DAC60501ZDQFT" WSON-8 130.379,47.755 r270 top (schematic designator U4)
U4_B4 "DAC60501ZDQFT" WSON-8 167.204,47.755 r270 top (schematic designator U4)
U4_B5 "DAC60501ZDQFT" WSON-8 204.029,47.755 r270 top (schematic designator U4)
U4_B6 "DAC60501ZDQFT" WSON-8 240.854,47.755 r270 top (schematic designator U4)
U4_B7 "DAC60501ZDQFT" WSON-8 277.679,47.755 r270 top (schematic designator U4)
U4_B8 "DAC60501ZDQFT" WSON-8 314.504,47.755 r270 top (schematic designator U4)
U5 "LPC54113J256BD64QL" LQFP-64 83.716,10.009 r90 top
U6 "IP4220CZ6" TSOP-6 66.825,12.025 r0 top
U7 "IP4220CZ6" TSOP-6 13.525,66.45 r270 top
U8 "REF3330AIDBZ" SOT23-3 86.3,8.975 r90 bottom
U9 "TPS560430YFQDBVRQ1" SOT23-6 39.725,25.475 r270 top
U10 "MIC5317-3.3YM5" SOT23-5 50.13,18.5 r90 top
U11 "PCA9554ARGVR" VQFN-16(RGV) 77.675,21.5 r180 top
U12 "PCA9540BDP,118" TSSOP-8 69.3,21.075 r0 top
U13 "PCA9554ARGVR" VQFN-16(RGV) 151.325,21.5 r180 top
U14_S1 "MCP6001UT-E/OT" SOT23-5 95.675,16.235 r180 top (schematic designator U14)
U14_S2 "MCP6001UT-E/OT" SOT23-5 95.628,16.423 r180 bottom (schematic designator U14)
U14_S3 "MCP6001UT-E/OT" SOT23-5 95.675,11.84 r180 top (schematic designator U14)
U14_S4 "MCP6001UT-E/OT" SOT23-5 95.7,12.01 r180 bottom (schematic designator U14)
U14_S5 "MCP6001UT-E/OT" SOT23-5 95.67,7.585 r180 top (schematic designator U14)
U14_S6 "MCP6001UT-E/OT" SOT23-5 95.73,7.775 r180 bottom (schematic designator U14)
U14_S7 "MCP6001UT-E/OT" SOT23-5 95.745,3.135 r180 top (schematic designator U14)
U14_S8 "MCP6001UT-E/OT" SOT23-5 95.775,3.335 r180 bottom (schematic designator U14)
U15 "DSC6001CI2A-004.0000" CDFN3225-4LD 53.5,16.925 r0 top
U16 "PCA9554ARGVR" VQFN-16(RGV) 224.975,21.5 r180 top
U17 "SN74HC163PW" TSSOP-16 58.25,19.2 r90 top
U18 "PCA9554ARGVR" VQFN-16(RGV) 298.625,21.5 r180 top
U19_B1 "LM61460-Q1" VQFN-HR-14 45.45,50.575 r180 top (schematic designator U19)
U19_B2 "LM61460-Q1" VQFN-HR-14 82.275,50.575 r180 top (schematic designator U19)
U19_B3 "LM61460-Q1" VQFN-HR-14 119.1,50.575 r180 top (schematic designator U19)
U19_B4 "LM61460-Q1" VQFN-HR-14 155.925,50.575 r180 top (schematic designator U19)
U19_B5 "LM61460-Q1" VQFN-HR-14 192.75,50.575 r180 top (schematic designator U19)
U19_B6 "LM61460-Q1" VQFN-HR-14 229.575,50.575 r180 top (schematic designator U19)
U19_B7 "LM61460-Q1" VQFN-HR-14 266.4,50.575 r180 top (schematic designator U19)
U19_B8 "LM61460-Q1" VQFN-HR-14 303.225,50.575 r180 top (schematic designator U19)
U20_B1 "AT30TSE002B-MAH-T" WDFN-8 52.95,44.475 r0 top (schematic designator U20)
U20_B2 "AT30TSE002B-MAH-T" WDFN-8 89.775,44.475 r0 top (schematic designator U20)
U20_B3 "AT30TSE002B-MAH-T" WDFN-8 126.6,44.475 r0 top (schematic designator U20)
U20_B4 "AT30TSE002B-MAH-T" WDFN-8 163.425,44.475 r0 top (schematic designator U20)
U20_B5 "AT30TSE002B-MAH-T" WDFN-8 200.25,44.475 r0 top (schematic designator U20)
U20_B6 "AT30TSE002B-MAH-T" WDFN-8 237.075,44.475 r0 top (schematic designator U20)
U20_B7 "AT30TSE002B-MAH-T" WDFN-8 273.9,44.475 r0 top (schematic designator U20)
U20_B8 "AT30TSE002B-MAH-T" WDFN-8 310.725,44.475 r0 top (schematic designator U20)
U21_S1 "SN74LVC1G3157DCKR" SOT363 102.575,16.935 r0 top (schematic designator U21)
U21_S2 "SN74LVC1G3157DCKR" SOT363 102.528,15.723 r0 bottom (schematic designator U21)
U21_S3 "SN74LVC1G3157DCKR" SOT363 102.575,12.54 r0 top (schematic designator U21)
U21_S4 "SN74LVC1G3157DCKR" SOT363 102.6,11.31 r0 bottom (schematic designator U21)
U21_S5 "SN74LVC1G3157DCKR" SOT363 102.57,8.285 r0 top (schematic designator U21)
U21_S6 "SN74LVC1G3157DCKR" SOT363 102.63,7.075 r0 bottom (schematic designator U21)
U21_S7 "SN74LVC1G3157DCKR" SOT363 102.645,3.835 r0 top (schematic designator U21)
U21_S8 "SN74LVC1G3157DCKR" SOT363 102.675,2.635 r0 bottom (schematic designator U21)
U22 "FPF1320UCX" WLCSP-6 12.725,55.775 r0 top
U25 "NX3DV221GM,115" XQFN-10(SOT1049-3) 19.45,55.575 r270 top
U26 "FPF1320UCX" WLCSP-6 44.7,17.3 r270 top
X1_B1 "NETs_CONNECTOR" NETs_CONNECTOR 58.325,55.9 r270 top (schematic designator X1)
X1_B2 "NETs_CONNECTOR" NETs_CONNECTOR 95.15,55.9 r270 top (schematic designator X1)
X1_B3 "NETs_CONNECTOR" NETs_CONNECTOR 131.975,55.9 r270 top (schematic designator X1)
X1_B4 "NETs_CONNECTOR" NETs_CONNECTOR 168.8,55.9 r270 top (schematic designator X1)
X1_B5 "NETs_CONNECTOR" NETs_CONNECTOR 205.625,55.9 r270 top (schematic designator X1)
X1_B6 "NETs_CONNECTOR" NETs_CONNECTOR 242.45,55.9 r270 top (schematic designator X1)
X1_B7 "NETs_CONNECTOR" NETs_CONNECTOR 279.275,55.9 r270 top (schematic designator X1)
X1_B8 "NETs_CONNECTOR" NETs_CONNECTOR 316.1,55.9 r270 top (schematic designator X1)
X3 "NETs_CONNECTOR" NETs_CONNECTOR 83.1,8.175 r180 bottom
XP1_B1 "TBH-2x3.81P-RA-GN" TBH-2X3.81P-RA-GN 56.85,72 r0 top locked (schematic designator XP1)
XP1_B2 "TBH-2x3.81P-RA-GN" TBH-2X3.81P-RA-GN 93.675,72 r0 top (schematic designator XP1)
XP1_B3 "TBH-2x3.81P-RA-GN" TBH-2X3.81P-RA-GN 130.5,72 r0 top (schematic designator XP1)
XP1_B4 "TBH-2x3.81P-RA-GN" TBH-2X3.81P-RA-GN 167.325,72 r0 top (schematic designator XP1)
XP1_B5 "TBH-2x3.81P-RA-GN" TBH-2X3.81P-RA-GN 204.15,72 r0 top (schematic designator XP1)
XP1_B6 "TBH-2x3.81P-RA-GN" TBH-2X3.81P-RA-GN 240.975,72 r0 top (schematic designator XP1)
XP1_B7 "TBH-2x3.81P-RA-GN" TBH-2X3.81P-RA-GN 277.8,72 r0 top (schematic designator XP1)
XP1_B8 "TBH-2x3.81P-RA-GN" TBH-2X3.81P-RA-GN 314.625,72 r0 top (schematic designator XP1)
XP2_B1 "0447690401" 0447690401 56.85,58.56 r0 bottom locked (schematic designator XP2)
XP2_B2 "0447690401" 0447690401 93.675,58.56 r0 bottom (schematic designator XP2)
XP2_B3 "0447690401" 0447690401 130.5,58.56 r0 bottom (schematic designator XP2)
XP2_B4 "0447690401" 0447690401 167.325,58.56 r0 bottom (schematic designator XP2)
XP2_B5 "0447690401" 0447690401 204.15,58.56 r0 bottom (schematic designator XP2)
XP2_B6 "0447690401" 0447690401 240.975,58.56 r0 bottom (schematic designator XP2)
XP2_B7 "0447690401" 0447690401 277.8,58.56 r0 bottom (schematic designator XP2)
XP2_B8 "0447690401" 0447690401 314.625,58.56 r0 bottom (schematic designator XP2)
XP3 "0447690401" 0447690401 17.65,38.785 r0 bottom locked
XP4 "0447690401" 0447690401 17.65,61.785 r0 bottom locked
XP5 "KUSBX-SL-CS1N14-B" KUSBX-SL-CS1N14-B 12.63,76.975 r180 top locked
XP6 "TBH-2x5.08P-RA-GN" TBH-2x5.08P-RA-GN 38.6,10 r180 top locked
XP7 "0447690601" 0447690601 19.15,14.21 r0 bottom